# Altium PCB foxbms2-master.PcbDoc (part 5 of 11) (continued)
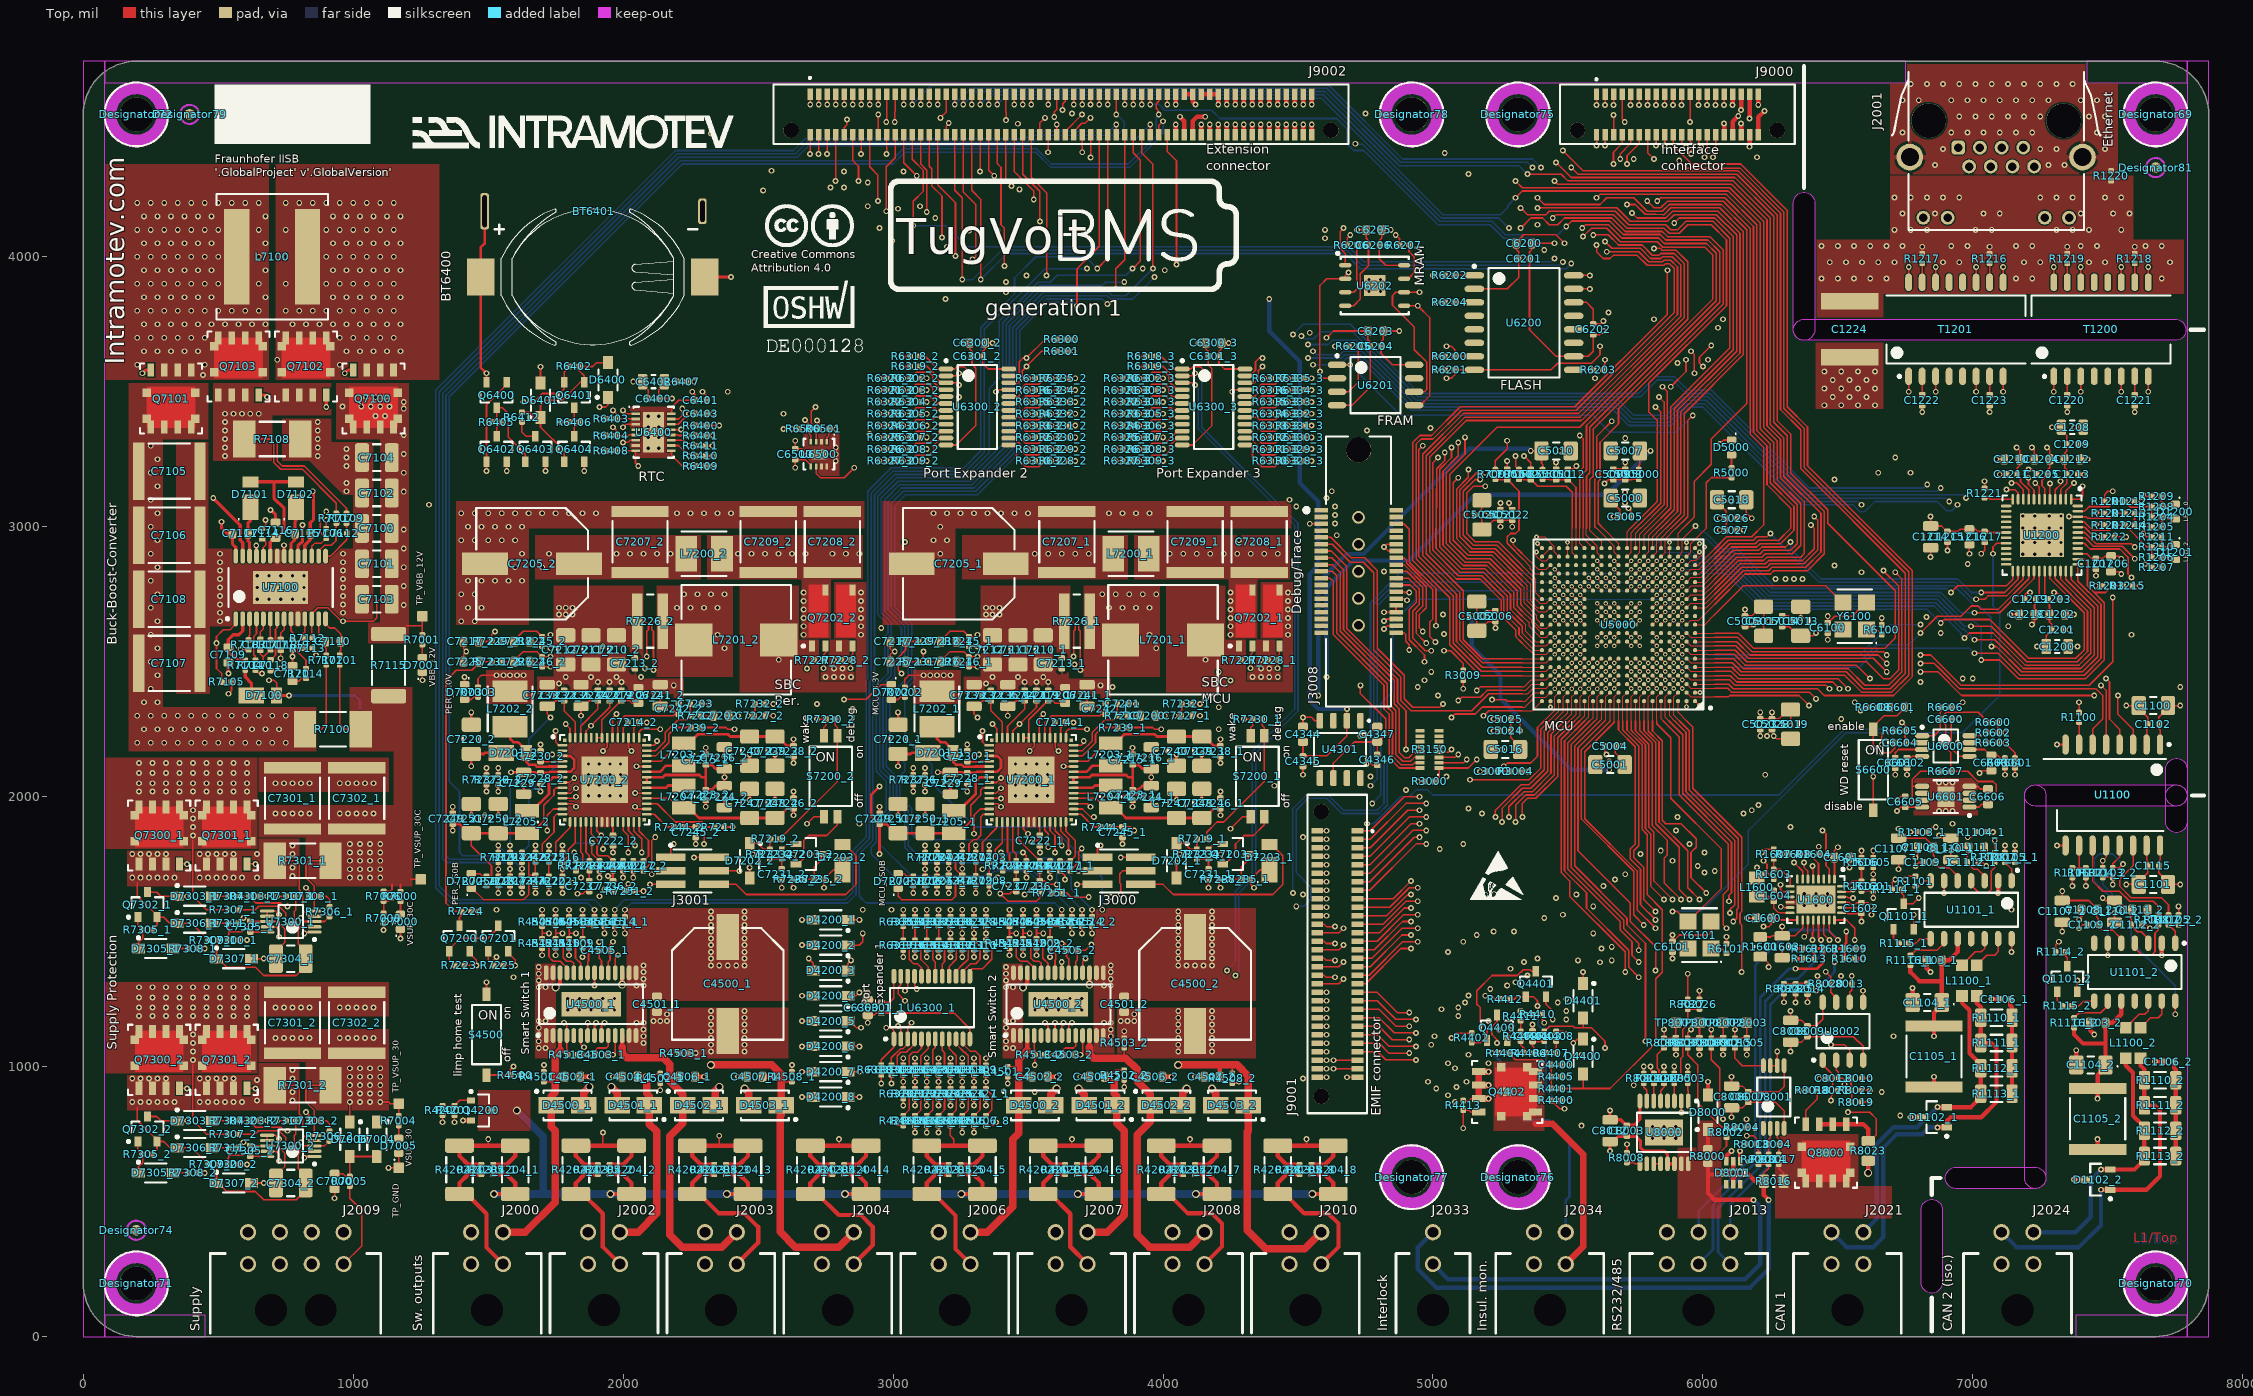
[diagram p0: Top view]
## Nets (pads, with @x,y where several pads share a name; then routed paths per layer and width w, separated by ;. In a path a pad name is that pad's centre, name@x,y a point inside that pad or via, vN(x,y) a via of type N, cw(c..) or ccw(c..) an arc to the next point about the centre after c; other vN are vias at no path point) (continued)
  Top w10: C7249_2.1@1368.75,1938.83 v2(1368.75,1962.5) ; v2(1437.5,1931.25) C7251_2.1@1437.5,1972.88 ; C7220_2.1@1437.5,2266.63 v2(1437.5,2312.5) ; v2(1537.5,1931.25) C7250_2.1@1537.5,1972.88 ; C7229_2.1@1631.25,2009.65 v2(1631.25,2043.75) ; v2(1693.75,2018.75) C7228_2.1@1693.75,2048.67 ; BT6400.-@2302.85,3925 v1(2400,3925) ; v2(2306.25,1962.5) C7223_2.1@2306.25,1986.17 ; C7215_2.1@2306.25,2157.58 v2(2306.25,2181.25) ; C7224_2.1@2375,1959.65 v2(2375,1993.75) ; v2(2375,2150) C7216_2.1@2375,2184.1 ; v2(2468.75,1987.5) C7247_2.1@2468.75,2029.13 ; C7240_2.1@2468.75,2114.62 v2(2468.75,2156.25) ; v2(2562.5,1987.5) C7248_2.1@2562.5,2029.13 ; C7239_2.1@2562.5,2114.62 v2(2562.5,2156.25) ; C7246_2.1@2631.25,1995.08 v2(2631.25,2018.75) ; v2(2631.25,2125) C7238_2.1@2631.25,2148.67 ; C7249_1.1@2950,1938.83 v2(2950,1962.5) ; v2(3018.75,1931.25) C7251_1.1@3018.75,1972.88 ; C7220_1.1@3018.75,2266.63 v2(3018.75,2312.5) ; v2(3118.75,1931.25) C7250_1.1@3118.75,1972.88 ; C7229_1.1@3212.5,2009.65 v2(3212.5,2043.75) ; v2(3275,2018.75) C7228_1.1@3275,2048.67 ; v2(3887.5,1962.5) C7223_1.1@3887.5,1986.17 ; C7215_1.1@3887.5,2157.58 v2(3887.5,2181.25) ; C7224_1.1@3956.25,1959.65 v2(3956.25,1993.75) ; v2(3956.25,2150) C7216_1.1@3956.25,2184.1 ; v2(4050,1987.5) C7247_1.1@4050,2029.13 ; C7240_1.1@4050,2114.62 v2(4050,2156.25) ; v2(4143.75,1987.5) C7248_1.1@4143.75,2029.13 ; C7239_1.1@4143.75,2114.62 v2(4143.75,2156.25) ; C7246_1.1@4212.5,1995.08 v2(4212.5,2018.75) ; v2(4212.5,2125) C7238_1.1@4212.5,2148.67
  Top w12: v2(537.5,2456.25) C7109.1@537.5,2490.9 ; v2(693.75,3062.5) 712.5,3043.75 C7116.2@712.5,3016.04 ; v2(5656.25,837.5) C8012.1@5656.25,802.85 5696.51,802.85 5716.78,782.58 C8003.1@5718.75,782.58 5745.08,782.58 5766.68,804.18 U8000.8@5766.68,872.39
  Top w16: v1(1406.25,800) 1406.35,800.1 Q4200.S@1436.26,800.1 ; C4502_1.1@1841.04,962.5 v2(1875,962.5) ; v2(1962.5,962.5) C4504_1.1@1996.46,962.5 ; C4506_1.1@2266.04,962.5 v2(2300,962.5) ; v2(2425,962.5) C4507_1.1@2458.96,962.5 ; C4502_2.1@3572.29,962.5 v2(3606.25,962.5) ; v2(3693.75,962.5) C4504_2.1@3727.71,962.5 ; C4506_2.1@3997.29,962.5 v2(4031.25,962.5) ; J9002.88@4047.24,4452.76 v1(4047.24,4489.86) ; v1(4047.24,4564.86) J9002.87@4047.24,4602.36 ; v2(4118.75,962.5) C4507_2.1@4152.71,962.5 ; J9002.93@4141.73,4602.36 J9002.95@4173.23,4602.36 J9002.97@4204.72,4602.36 v1(4204.72,4564.86) ; v1(4236.22,4564.86) J9002.99@4236.22,4602.36 ; v1(4267.72,4564.86) J9002.101@4267.72,4602.36 ; v1(4299.21,4564.86) J9002.103@4299.21,4602.36 ; J9002.114@4456.69,4452.76 v1(4456.69,4489.86) ; v1(4456.69,4564.86) J9002.113@4456.69,4602.36 ; J9002.116@4488.19,4452.76 v1(4488.19,4489.86) ; v1(4488.19,4564.86) J9002.115@4488.19,4602.36 ; J9000.32@6078.74,4452.76 v1(6078.74,4493.75) ; v1(6110.24,4562.5) J9000.33@6110.24,4602.36 ; v1(6137.5,687.5) 6138.09,686.91 D8001.1@6138.09,648.57 ; v2(6343.75,1437.5) R1612.1@6376.03,1437.5 ; v5(6612.5,606.25) R8023.2@6612.5,651.08 ; v2(6768.75,812.5) D1102_1.3@6809.01,812.5 ; C1104_1.1@6777.12,1237.5 v2(6777.12,1291.63) ; C1103_1.1@6827.71,1393.75 6827.71,1366.04 v2(6843.75,1350) ; C1105_1.1@6856.25,924.31 v2(6856.25,962.5) ; v2(7068.75,1250) C1106_1.1@7098.67,1250 ; v1(7093.75,1643.75) U1101_1.2@7093.75,1694.78
  Top w24: v1(5206.25,881.25) Q4402.S@5169.69,881.25 Q4402.S@5169.69,931.25 ; v1(5206.25,931.25) Q4402.S@5169.69,931.25 ; v1(5206.25,981.25) Q4402.S@5169.69,981.25 Q4402.S@5169.69,931.25
  Top w28: D4500_1.2@1853.79,856.25 1853.79,903.79 v6(1875,925) ; v6(1956.25,925) 1977.46,903.79 D4501_1.2@1977.46,856.25 ; D4502_1.2@2341.29,856.25 2341.29,910.04 v6(2356.25,925) ; v6(2450,918.75) 2464.96,903.79 D4503_1.2@2464.96,856.25 ; D4500_2.2@3585.04,856.25 3585.04,897.54 v6(3606.25,918.75) ; v6(3687.5,918.75) 3708.71,897.54 D4501_2.2@3708.71,856.25 ; D4502_2.2@4072.54,856.25 4072.54,903.79 v6(4087.5,918.75) ; v6(4181.25,918.75) 4196.21,903.79 D4503_2.2@4196.21,856.25
  other v1: 712.5,1218.75 743.75,1218.75 775,1218.75 806.25,1218.75 837.5,1218.75 950,1218.75 981.25,1218.75 1012.5,1218.75 1043.75,1218.75 1075,1218.75 6875,1947.5 6900,1947.5 6925,1947.5 1872.2,2003.44 1911.57,2003.44 1950.94,2003.44 1990.31,2003.44 3453.44,2003.44 3492.81,2003.44 3532.19,2003.44 3571.56,2003.44 1872.2,2042.82 1911.57,2042.82 1950.94,2042.82 1990.31,2042.82 3453.44,2042.82 3492.81,2042.82 3532.19,2042.82 3571.56,2042.82 712.5,2050 743.75,2050 775,2050 806.25,2050 837.5,2050 950,2050 981.25,2050 1012.5,2050 1043.75,2050 1075,2050 6875,2052.5 6900,2052.5 6925,2052.5 1872.2,2082.18 1911.57,2082.18 1950.94,2082.18 1990.31,2082.18 3453.44,2082.18 3492.81,2082.18 3532.19,2082.18 3571.56,2082.18 1872.2,2121.56 1911.57,2121.56 1950.94,2121.56 1990.31,2121.56 3453.44,2121.56 3492.81,2121.56 3532.19,2121.56 3571.56,2121.56 2187.5,2412.5 3768.75,2412.5 1762.5,2418.75 3343.75,2418.75 1906.25,2425 1950,2425 1993.75,2425 3487.5,2425 3531.25,2425 3575,2425 1787.5,2443.75 1881.25,2443.75 1975,2443.75 3368.75,2443.75 3462.5,2443.75 3556.25,2443.75 506.25,2650 1400,2650 1450,2650 506.25,2681.25 962.5,2681.25 1425,2700 1475,2700 506.25,2712.5 962.5,2712.5 644.64,2731.69 687.94,2731.69 731.25,2731.69 774.56,2731.69 817.86,2731.69 506.25,2743.75 962.5,2743.75 1400,2750 1450,2750 506.25,2775 644.64,2775 687.94,2775 731.25,2775 774.56,2775 817.86,2775 962.5,2775 1425,2800 1475,2800 1525,2800 1575,2800 1625,2800 506.25,2806.25 962.5,2806.25 644.64,2818.31 687.94,2818.31 731.25,2818.31 774.56,2818.31 817.86,2818.31 506.25,2837.5 962.5,2837.5 1600,2850 506.25,2868.75 962.5,2868.75 506.25,2900 962.5,2900 1625,2900 3175,2900 1400,2950 1450,2950 1500,2950 1550,2950 1600,2950 3150,2950 3200,2950 1425,3000 1475,3000 1525,3000 1575,3000 1625,3000 3175,3000 1400,3050 1450,3050 1500,3050 1550,3050 1600,3050 1650,3050 1700,3050 1750,3050 1800,3050 1850,3050 1900,3050 2200,3050 2250,3050 2300,3050 2350,3050 2400,3050 3150,3050 3200,3050 3250,3050 3300,3050 3350,3050 3400,3050 3450,3050 3500,3050 3800,3050 3850,3050 3900,3050 3950,3050 975,3131.25 975,3162.5 975,3225 2787.5,3243.75 975,3256.25 868.75,3262.5 2787.5,3268.75 975,3287.5 2092.82,3290.94 2132.19,3290.94 868.75,3293.75 2787.5,3293.75 868.75,3325 2092.82,3330.31 2132.19,3330.31 868.75,3356.25 2092.82,3369.69 2132.19,3369.69 868.75,3387.5 2092.82,3409.06 2132.19,3409.06 6450,3450 6512.5,3450 6575,3450 6637.5,3450 6481.25,3481.25 6543.75,3481.25 6606.25,3481.25 6450,3512.5 6512.5,3512.5 6575,3512.5 6637.5,3512.5 6481.25,3543.75 6543.75,3543.75 6606.25,3543.75 6450,3575 6512.5,3575 6575,3575 6637.5,3575
  other v2: 5812.94,734.6 5856.25,734.6 5899.56,734.6 5812.94,777.9 5856.25,777.9 5899.56,777.9 2325,1056.25 2450,1056.25 4056.25,1056.25 4181.25,1056.25 2325,1081.25 2450,1081.25 4056.25,1081.25 4181.25,1081.25 2325,1106.25 2450,1106.25 4056.25,1106.25 4181.25,1106.25 2325,1131.25 2450,1131.25 4056.25,1131.25 4181.25,1131.25 2325,1156.25 2450,1156.25 4056.25,1156.25 4181.25,1156.25 2112.5,1168.75 2137.5,1168.75 2162.5,1168.75 3843.75,1168.75 3868.75,1168.75 3893.75,1168.75 2325,1181.25 2450,1181.25 4056.25,1181.25 4181.25,1181.25 2162.5,1193.75 3893.75,1193.75 2325,1206.25 2450,1206.25 4056.25,1206.25 4181.25,1206.25 1794.64,1209.6 1837.94,1209.6 1881.25,1209.6 1924.56,1209.6 1967.86,1209.6 3525.89,1209.6 3569.19,1209.6 3612.5,1209.6 3655.81,1209.6 3699.11,1209.6 1794.64,1252.9 1837.94,1252.9 1881.25,1252.9 1924.56,1252.9 1967.86,1252.9 3525.89,1252.9 3569.19,1252.9 3612.5,1252.9 3655.81,1252.9 3699.11,1252.9 2750,2443.75 2781.25,2443.75 2812.5,2443.75 2843.75,2443.75 4331.25,2443.75 4362.5,2443.75 4393.75,2443.75 4425,2443.75 2781.25,2475 2812.5,2475 4362.5,2475 4393.75,2475 2781.25,2506.25 4362.5,2506.25 7185.38,2897.88 7229.28,2897.88 7283.22,2897.88 7327.12,2897.88 7185.38,2941.78 7229.28,2941.78 7283.22,2941.78 7327.12,2941.78 7185.38,2995.72 7229.28,2995.72 7283.22,2995.72 7327.12,2995.72 7185.38,3039.62 7229.28,3039.62 7283.22,3039.62 7327.12,3039.62 4762.6,3872.1 4805.91,3872.1 4762.6,3915.4 4805.91,3915.4
  other v3: 5987.5,2906.25
GND_ext: C1101.1 C1103_2.1 C1104_2.1 C1105_2.1 C1106_2.1 C1107_2.1 C1108_2.1 C1109_2.1 C1110_2.1 C1111_2.1 C1112_2.1 C1115.1 D1102_2.3 J2024.1 R1106.1 R1114_2.1 U1100.9 U1100.15 U1101_2.2 | length 797.5
  Top w6: R1114_2.1@7307.28,1425 7307.28,1451.03 v1(7318.75,1462.5) ; v1(7312.5,1818.75) 7312.99,1819.24 U1100.9@7343.75,1819.24 ; v1(7331.25,1500) C1107_2.1@7331.25,1534.65 ; v1(7368.75,1668.75) R1106.1@7368.75,1701.03 ; v1(7393.75,1512.5) 7406.25,1525 C1109_2.1@7423.67,1525 ; v1(7393.75,1543.75) 7402.71,1552.71 C1108_2.1@7402.71,1581.25 ; C1110_2.1@7525,1534.65 v1(7525,1568.75) ; v1(7568.75,1675) C1101.1@7614.62,1675 7614.62,1683.86 7648.67,1717.91 C1115.1@7648.67,1743.75 7648.67,1759.95 7643.75,1764.88 U1100.15@7643.75,1819.24 ; C1112_2.1@7626.33,1525 7643.75,1525 v1(7656.25,1512.5) ; C1111_2.1@7647.29,1581.25 7647.29,1552.71 v1(7656.25,1543.75)
  Top w16: v2(7375,581.25) D1102_2.3@7415.26,581.25 ; C1104_2.1@7383.37,1006.25 v2(7383.37,1060.38) ; C1103_2.1@7433.96,1162.5 7433.96,1134.79 v2(7450,1118.75) ; C1105_2.1@7462.5,693.06 v2(7462.5,731.25) ; v2(7675,1018.75) C1106_2.1@7704.92,1018.75 ; v1(7700,1412.5) U1101_2.2@7700,1463.53
GND_SW_1: Q4200.D R4204_1.1 R4204_2.1 R4204_3.1 R4204_4.1 R4204_5.1 R4204_6.1 R4204_7.1 R4204_8.1 R4205_1.1 R4205_2.1 R4205_3.1 R4205_4.1 R4205_5.1 R4205_6.1 R4205_7.1 R4205_8.1 | length 5088.1
  Top w16: R4205_1.1@1518.75,601.03 1567.72,601.03 1600,568.75 R4204_1.1@1600,528.15 v5(1521.85,528.15) ; R4205_2.1@1950,601.03 1998.97,601.03 2031.25,568.75 R4204_2.1@2031.25,528.15 v5(1953.1,528.15) ; R4205_3.1@2381.25,601.03 2430.22,601.03 2462.5,568.75 R4204_3.1@2462.5,528.15 v5(2384.35,528.15) ; R4205_4.1@2818.75,601.03 2867.72,601.03 2900,568.75 R4204_4.1@2900,528.15 v5(2821.85,528.15) ; R4205_5.1@3250,601.03 3298.97,601.03 3331.25,568.75 R4204_5.1@3331.25,528.15 v5(3253.1,528.15) ; R4205_6.1@3681.25,601.03 3730.22,601.03 3762.5,568.75 R4204_6.1@3762.5,528.15 v5(3684.35,528.15) ; R4205_7.1@4118.75,601.03 4167.72,601.03 4200,568.75 R4204_7.1@4200,528.15 v5(4121.85,528.15) ; R4205_8.1@4550,601.03 4598.97,601.03 4631.25,568.75 R4204_8.1@4631.25,528.15 v5(4553.1,528.15)
  Bottom w28: v5(1521.85,528.15) 1704.07,528.15 ; v6(1606.25,837.5) 1704.07,739.68 1704.07,528.15 ; v5(4553.1,528.15) v5(4121.85,528.15) v5(3684.35,528.15) v5(3253.1,528.15) v5(2821.85,528.15) v5(2384.35,528.15) v5(1953.1,528.15) 1704.07,528.15
INTERLOCK.HI_1: D8001.2 J2033.1 R8000.1 R8002.2 U8000.15 U8000.16 | length 2057.4
  Top w6: R8000.1@6018.75,641.19 6022.69,641.19 6087.5,706 R8002.2@6087.5,738.53
  Top w16: R8000.1@6018.75,641.19 6017.63,641.19 6018.75,640.07 6018.75,601.12 ; D8001.2@6112.5,648.57 6112.5,618.75 6093.75,600 6019.87,600 6018.75,601.12 ; v1(6187.5,506.25) 6043.75,506.25 6018.75,531.25 6018.75,601.12
  Bottom w16: J2033.1@5000,268.43 5055.93,212.5 6156.25,212.5 6212.5,268.75 6212.5,481.25 v1(6187.5,506.25)
INTERLOCK.LO_1: D8001.5 J2033.2 R8010.2 R8014.2 R8016.1 | length 2110
  Top w6: R8010.2@6206.25,638.53 R8014.2@6243.75,638.53 6243.75,623.71 6226.08,606.04 R8016.1@6226.08,575
  Top w16: D8001.5@6112.5,563.93 6112.5,587.5 6125,600 6168.75,600 6193.75,575 R8016.1@6226.08,575 6226.08,523.92 v1(6243.75,506.25)
  Bottom w16: J2033.2@5000,386.42 4943.75,330.17 4943.75,250 5012.5,181.25 6175,181.25 6243.75,250 v1(6243.75,506.25)
INTERLOCK_IO.IL_ENABLE_EXT_1: J9002.85 R8026.1 | length 5001.6
  Top w6: v1(4015.75,4564.86) J9002.85@4015.75,4602.36 ; R8026.1@5987.5,1248.97 v1(5987.5,1281.17)
  Int3 (Sig) w6: v1(4006.25,3950) 4006.25,4226.52 4022.12,4242.4 4022.12,4511.4 4015.75,4517.78 v1(4015.75,4564.86)
  Int4 (Sig) w6: v1@4006.25,3950 4018.75,3937.5 4068.75,3937.5 4087.5,3956.25 4381.25,3956.25 4743.75,3593.75 4743.75,3431.25 4637.5,3325 4637.5,3250 4668.75,3218.75 4668.75,2375 4800,2243.75 4800,1856.25 4950,1706.25 5081.25,1706.25 5100,1725 5493.75,1725 5687.5,1531.25 5687.5,1331.25 5737.58,1281.17 v1(5987.5,1281.17)
INTERLOCK_IO.IL_HS_ENABLE_1: R8027.1 U5000.B11 | length 1416.2
  Top w4: 5637.5,2281.25 5640.26,2284.01 5640.26,2369.78 U5000.B11@5656,2385.53
  Top w6: 5637.5,2281.25 5537.5,2181.25 5537.5,1800 5731.25,1606.25 5731.25,1537.5 5825,1443.75 v1(5825,1356.25) ; R8027.1@5943.75,1248.97 v1(5943.75,1343.75)
  Int3 (Sig) w6: v1(5825,1356.25) 5931.25,1356.25 v1(5943.75,1343.75)
INTERLOCK_IO.IL_STATE_1: J9002.86 R8020.2 U5000.A3 U8002.7 | length 6338.7
  Top w4: U5000.A3@5907.97,2354.04 5907.97,2312.5 5939.22,2281.25
  Top w6: J9002.86@4015.75,4452.76 4015.75,4390.11 4050,4355.86 v1(4050,3971.92) ; 5939.22,2281.25 5962.3,2258.17 5962.3,2031.45 6143.75,1850 6143.75,1575 6137.5,1568.75 6137.5,1531.25 6143.75,1525 v1(6143.75,1350) ; v1(6455.03,1351.22) 6473.97,1332.28 R8020.2@6473.97,1306.25 6473.97,1275.05 6493.75,1255.27 U8002.7@6493.75,1238.53
  Int3 (Sig) w6: v1(6143.75,1350) 6156.25,1337.5 6375,1337.5 6400,1362.5 6443.75,1362.5 v1(6455.03,1351.22)
  Int4 (Sig) w6: v1(4050,3971.92) 4051.53,3973.45 4064.83,3973.45 4072.62,3981.25 4393.75,3981.25 4768.75,3606.25 4768.75,3418.75 4662.5,3312.5 4662.5,3262.5 4693.75,3231.25 4693.75,2384.47 4825,2253.22 4825,1867.68 4961.43,1731.25 5071.78,1731.25 5090.53,1750 5506.49,1750 5825.24,1431.25 6062.5,1431.25 v1(6143.75,1350)
IODEV_IO.\SMSW_FAULT_1: R4513_1.1 R4513_2.1 U4500_1.4 U4500_2.4 U5000.M2 | length 8799.6
  Top w4: U5000.M2@5939.47,2700.49 5955.22,2716.24 6009.99,2716.24 6043.75,2750
  Top w6: v2(1781.25,1162.5) 1791.68,1152.07 U4500_1.4@1791.68,1115.11 1791.68,1064.57 1794.78,1061.47 R4513_1.1@1794.78,1043.75 ; U4500_2.4@3522.93,1115.11 3522.93,1064.57 3526.03,1061.47 R4513_2.1@3526.03,1043.75 3526.03,1028.92 3525,1027.89 v1(3525,1006.25) ; 6043.75,2750 6143.75,2850 6237.5,2850 6250,2862.5 6375,2862.5 6425,2912.5 6425,3025 v1(6412.5,3037.5)
  Int3 (Sig) w6: v2(1781.25,1162.5) 1781.25,1096.08 1885.4,991.92 2073.17,991.92 2318.75,1237.5 2484.38,1237.5 2528.13,1193.75 3225,1193.75 3237.5,1181.25 3268.75,1181.25 3418.75,1031.25 3500,1031.25 v1(3525,1006.25) ; v1(3525,906.25) 3625,806.25 6025,806.25 6040.62,821.88 6059.76,821.88 6072.21,834.33 6490.67,834.33 6518.75,806.25 6718.75,806.25 v1(6731.25,818.75)
  Int1 (Sig) w6: v1(3525,906.25) v1(3525,1006.25) ; v1(6412.5,3037.5) 6431.25,3037.5 6775,2693.75 6775,2418.75 6793.75,2400 6793.75,2068.75 6806.25,2056.25 6806.25,1850 6762.5,1806.25 6762.5,1725 6775,1712.5 6775,1606.25 6731.25,1562.5 v1(6731.25,818.75)
IODEV_IO.\SMSW_RESET_1: U4500_1.21 U4500_2.21 U5000.L4 | length 5603.3
  Top w4: U5000.L4@5876.48,2669 v3(5892.22,2684.74)
  Top w6: v2(1893.75,1300) 1894.05,1300.3 U4500_1.21@1894.05,1347.39 ; v1(3625,1387.5) 3625.3,1387.2 U4500_2.21@3625.3,1347.39
  Int3 (Sig) w6: v2(1893.75,1300) 1950,1300 2050,1400 2125,1400 2187.5,1337.5 3325,1337.5 3431.25,1443.75 3593.75,1443.75 3625,1412.5 v1(3625,1387.5) 3650,1362.5 3743.75,1362.5 3993.75,1612.5 4475,1612.5 v1(4493.75,1593.75)
  Bottom w4: 5331.25,2731.25 5866.73,2731.25 5877.37,2720.62 5877.37,2699.6 v3(5892.22,2684.74)
  Bottom w6: v1(4493.75,1593.75) 4521.7,1593.75 4547.51,1619.56 4547.51,1664.99 4493.75,1718.75 4493.75,1950 4537.5,1993.75 4606.25,1993.75 4662.5,1937.5 4800,1937.5 4831.25,1968.75 4831.25,2131.25 4806.25,2156.25 4806.25,2343.75 4850,2387.5 4850,2643.37 4937.88,2731.25 5331.25,2731.25
IODEV_IO.CONT_FB_EN_1: R4200.1 U5000.L16 | length 6380.8
  Top w4: v3(5482.78,2684.74) U5000.L16@5498.52,2669
  Top w6: v2(1331.25,793.75) R4200.1@1331.25,819.78
  Int3 (Sig) w6: v2(1331.25,793.75) 1356.25,768.75 1518.75,768.75 1543.75,793.75 2962.5,793.75 2993.75,825 3393.75,825 3425,793.75 5537.5,793.75 v1(5550,781.25)
  Int1 (Sig) w6: v1(5550,781.25) v1(5550,1043.75)
  Int6 (Sig) w4: 5425,2281.25 5425,2318.75 5420.67,2323.08 5420.67,2339.26 5425,2343.59 5425,2687.5 5437.5,2700 5467.52,2700 v3(5482.78,2684.74)
  Int6 (Sig) w6: 5425,2281.25 5425,1693.75 5506.25,1612.5 5506.25,1543.75 5468.75,1506.25 5468.75,1318.75 5550,1237.5 v1(5550,1043.75)
IODEV_IO.CONT_FB_IO.IO0_0_1: D4200_1.1 R4206_1.1 R6302_1.1 R6320_1.2 U6300_1.4 | length 1059.8
  Top w6: D4200_1.1@2833.12,1543.75 v1(2875,1543.75) ; R4206_1.1@3037.5,817.72 3059.33,839.54 3059.33,895.89 R6320_1.2@3037.5,917.72 v2(3037.5,943.75) R6302_1.1@3037.5,969.78 3015.67,991.61 3015.67,1040.29 3028.46,1053.08 3048.94,1053.08 3079.77,1083.91 U6300_1.4@3079.77,1102.61
  Int4 (Sig) w6: v1(2875,1543.75) 2916.88,1501.87 2916.88,1370.62 2996.83,1290.67 2996.83,984.42 v2(3037.5,943.75)
IODEV_IO.CONT_FB_IO.IO0_1_1: D4200_2.1 R4206_2.1 R6303_1.1 R6321_1.2 U6300_1.5 | length 1229.7
  Top w6: D4200_2.1@2833.12,1450 2875,1450 2887.5,1462.5 v1(2887.5,1493.75) ; R4206_2.1@3081.25,817.72 3103.08,839.54 3103.08,895.89 R6321_1.2@3081.25,917.72 v2(3081.25,943.75) R6303_1.1@3081.25,969.78 3059.42,991.61 3059.42,1040.29 3072.21,1053.08 3090.58,1053.08 3105.36,1067.86 U6300_1.5@3105.36,1102.61
  Int4 (Sig) w6: v1(2887.5,1493.75) 2887.5,1368.75 2943.75,1312.5 2943.75,1006.25 2912.5,975 2912.5,925 2931.25,906.25 3043.75,906.25 v2(3081.25,943.75)
IODEV_IO.CONT_FB_IO.IO0_2_1: D4200_3.1 R4206_3.1 R6304_1.1 R6322_1.2 U6300_1.6 | length 1145.7
  Top w6: D4200_3.1@2833.12,1356.25 2833.12,1383.12 v1(2843.75,1393.75) ; R4206_3.1@3125,817.72 3146.83,839.54 3146.83,895.89 R6322_1.2@3125,917.72 v2(3125,943.75) R6304_1.1@3125,969.78 3103.17,991.61 3103.17,1040.29 3130.95,1068.07 U6300_1.6@3130.95,1102.61
  Int4 (Sig) w6: v1(2843.75,1393.75) 2931.25,1306.25 2931.25,1012.5 2900,981.25 2900,918.75 2925,893.75 3075,893.75 v2(3125,943.75)
IODEV_IO.CONT_FB_IO.IO0_3_1: D4200_4.1 R4206_4.1 R6305_1.1 R6323_1.2 U6300_1.7 | length 1071.5
  Top w6: D4200_4.1@2833.12,1262.5 2862.5,1262.5 v1(2875,1275) ; U6300_1.7@3156.55,1102.61 3156.55,1071.05 3146.92,1061.43 3146.92,991.61 R6305_1.1@3168.75,969.78 v2(3168.75,943.75) R6323_1.2@3168.75,917.72 3190.58,895.89 3190.58,839.54 R4206_4.1@3168.75,817.72
  Int4 (Sig) w6: v1(2875,1275) 2850,1250 2850,950 2918.75,881.25 3106.25,881.25 v2(3168.75,943.75)
IODEV_IO.CONT_FB_IO.IO0_4_1: D4200_5.1 R4206_5.1 R6306_1.1 R6324_1.2 U6300_1.8 | length 855.1
  Top w6: D4200_5.1@2833.12,1168.75 2839.22,1168.75 2864.22,1143.75 v1(2881.25,1143.75) ; U6300_1.8@3182.14,1102.61 3182.14,1060.22 3190.67,1051.69 3190.67,991.61 R6306_1.1@3212.5,969.78 v2(3212.5,943.75) R6324_1.2@3212.5,917.72 3234.33,895.89 3234.33,839.54 R4206_5.1@3212.5,817.72
  Int3 (Sig) w6: v1(2881.25,1143.75) 2912.5,1112.5 2912.5,998.25 2942,968.75 3187.5,968.75 v2(3212.5,943.75)
IODEV_IO.CONT_FB_IO.IO0_5_1: D4200_6.1 R4206_6.1 R6307_1.1 R6325_1.2 U6300_1.9 | length 904.9
  Top w6: D4200_6.1@2833.12,1075 v1(2875,1075) ; U6300_1.9@3207.73,1102.61 3207.73,1066.89 3234.42,1040.19 3234.42,991.61 R6307_1.1@3256.25,969.78 v2(3256.25,943.75) R6325_1.2@3256.25,917.72 3278.08,895.89 3278.08,839.54 R4206_6.1@3256.25,817.72
  Int3 (Sig) w6: v1(2875,1075) 2900,1050 2900,925 2918.75,906.25 3218.75,906.25 v2(3256.25,943.75)
IODEV_IO.CONT_FB_IO.IO0_6_1: D4200_7.1 R4206_7.1 R6308_1.1 R6326_1.2 U6300_1.10 | length 884.4
  Top w6: D4200_7.1@2833.12,981.25 v1(2875,981.25) ; U6300_1.10@3233.32,1102.61 3233.32,1083.91 3264.15,1053.08 3265.29,1053.08 3278.17,1040.19 3278.17,991.61 R6308_1.1@3300,969.78 v2(3300,943.75) R6326_1.2@3300,917.72 3321.83,895.89 3321.83,839.54 R4206_7.1@3300,817.72
  Int3 (Sig) w6: v1(2875,981.25) 2875,931.25 2912.5,893.75 3250,893.75 v2(3300,943.75)
IODEV_IO.CONT_FB_IO.IO0_7_1: D4200_8.1 R4206_8.1 R6309_1.1 R6327_1.2 U6300_1.11 | length 888.5
  Top w6: D4200_8.1@2833.12,887.5 v1(2875,887.5) ; U6300_1.11@3258.91,1102.61 3258.91,1083.91 3286.56,1056.25 3305.87,1056.25 3321.92,1040.19 3321.92,991.61 R6309_1.1@3343.75,969.78 v2(3343.75,943.75) R6327_1.2@3343.75,917.72 3365.58,895.89 3365.58,839.54 R4206_8.1@3343.75,817.72
  Int3 (Sig) w6: v1(2875,887.5) 2900,887.5 2906.25,881.25 3281.25,881.25 v2(3343.75,943.75)
IODEV_IO.CONT_FB_IO.IO1_0_1: R6310_1.1 R6328_1.2 U6300_1.13 | length 248.4
  Top w6: U6300_1.13@3284.5,1334.89 3284.5,1353.59 3293.59,1362.68 3331.05,1362.68 3365.58,1397.21 3365.58,1445.89 R6310_1.1@3343.75,1467.72 v2(3343.75,1493.23) R6328_1.2@3343.75,1518.75